# EAGLE board D-M-005_Eagle9X (EAGLE 9.7.0), part 2 of 2
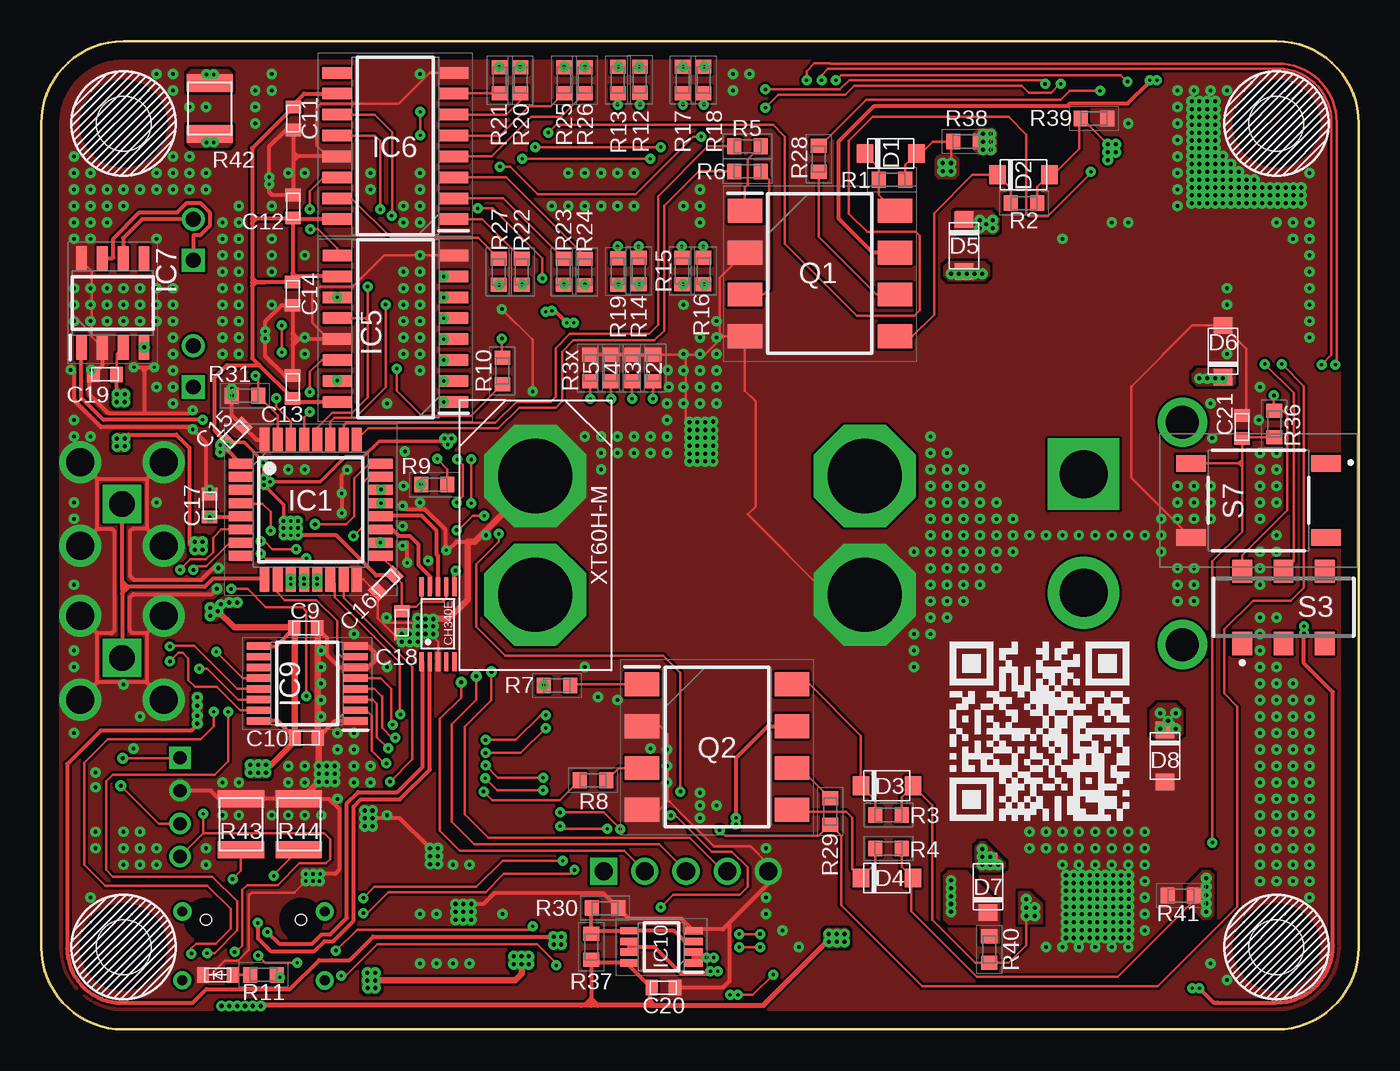
[diagram p0: board, top side]
## Tracks (layer width: path | path; a pad name or v marks a point on that pad's centre or on a via) (continued)
GND  (via drill 0.2 pad 0.03, 0.22, 0.25 pad 0.03) (continued)
  pour Top (no thermals): 61.81,7.82 61.82,7.79 61.82,5.15 66.59,5.15 66.59,17.59 60.26,23.92 60.24,23.95 60.24,36.21 60.26,36.23 65.04,41.02 65.07,41.03 75.37,41.03 76.91,42.57 76.91,51.67 74.78,51.67 74.78,51.67 74.76,51.67 74.75,51.67 74.75,51.67 74.34,51.7 74.34,51.7 74.33,51.7 74.32,51.7 74.31,51.71 73.91,51.79 73.9,51.79 73.89,51.8 73.89,51.8 73.88,51.8 73.5,51.95 73.49,51.95 73.48,51.95 73.47,51.96 73.47,51.96 73.11,52.16 73.1,52.16 73.09,52.16 73.09,52.17 73.08,52.17 72.75,52.42 72.75,52.42 72.74,52.43 72.73,52.43 72.73,52.44 72.44,52.73 72.43,52.73 72.43,52.74 72.42,52.75 72.42,52.75 72.17,53.08 72.17,53.08 72.16,53.09 72.16,53.1 72.16,53.11 71.96,53.47 71.96,53.47 71.95,53.48 71.95,53.49 71.95,53.49 71.8,53.88 71.8,53.88 71.8,53.89 71.8,53.9 71.8,53.91 71.71,54.31 71.71,54.32 71.71,54.32 71.7,54.33 71.7,54.34 71.67,54.75 71.67,54.75 71.67,54.76 71.67,54.77 71.67,54.78 71.67,56.7 66.52,53.71 53.22,40.41 53.19,40.4 45.11,40.4 42.11,37.4 42.08,37.39 29.24,37.39 26.74,34.89 26.74,32.25 28.6,30.39 31.6,30.39 31.63,30.38 39.02,23 46.62,23 46.65,22.98
  pour Top (no thermals): 66.43,5.15 66.8,5.15 68.82,7.17 68.82,15.36 66.43,17.75
  pour Top (no thermals): 60.5,36.74 65.84,36.74 70.09,40.99 70.09,41.2 64.96,41.2
  pour Top (no thermals): 66.07,52.94 71.67,52.94 71.67,56.75 69.56,56.75 65.9,53.1
  pour Top (no thermals): 23,29.52 23.02,29.47 23.02,28.35 23.11,28.26 23.91,28.26 23.96,28.31 23.96,30.15 23.04,31.06 21.72,31.06 21.71,31.06 21.71,30.13 21.76,30.09 22.4,30.09 22.45,30.07
  pour Top (no thermals): 66.88,54.88 66.91,54.87 67.34,54.44 67.63,54.44 68.95,55.76 64.33,55.76 64.33,54.88
  pour Top (no thermals): 38.29,37.45 38.27,37.43 38.26,37.4 38.26,37.33 38.27,37.3 38.29,37.28 38.32,37.27 41.76,37.27 41.79,37.28 41.81,37.3 41.82,37.33 41.82,37.4 41.81,37.43 41.79,37.45 41.76,37.46 38.32,37.46
  pour Bottom (no thermals): 16.03,8.89 16.94,8.89 17.06,9.01 17.06,9.48 16.98,9.56 16.03,9.56 15.95,9.48 15.95,8.97
  pour Top (no thermals): 16.03,8.89 16.94,8.89 17.06,9.01 17.06,9.48 16.98,9.56 16.03,9.56 15.95,9.48 15.95,8.97
  pour Bottom (no thermals): 16.8,14.81 17.88,14.81 18.04,14.97 18.04,16.1 17.92,16.22 16.8,16.22 16.63,16.06 16.63,14.97
  pour Top (no thermals): 16.8,14.81 17.88,14.81 18.04,14.97 18.04,16.06 17.88,16.22 16.8,16.22 16.63,16.06 16.63,14.97
  pour Bottom (no thermals): 16.97,19.69 15.74,18.46 15.7,18.44 14.45,18.44 14.45,12.62 20.27,12.62 20.27,18.56 20.29,18.6 21.51,19.83 21.56,19.85 22.77,19.85 22.77,25.67 16.99,25.67 16.99,19.74
  pour Bottom (no thermals): 23.57,9.88 24.12,9.88 24.24,10 24.24,11.02 24.12,11.14 23.57,11.14 23.46,11.02 23.46,10
  pour Top (no thermals): 23.57,9.88 24.12,9.88 24.24,10 24.24,11.02 24.12,11.14 23.57,11.14 23.46,11.02 23.46,10
  pour Bottom (no thermals): 11.52,38.3 11.65,38.3 11.77,38.43 11.77,39 11.65,39.12 11.52,39.12 11.39,39 11.39,38.43
  pour Top (no thermals): 11.52,38.3 11.65,38.3 11.77,38.43 11.77,39 11.65,39.12 11.52,39.12 11.39,39 11.39,38.43
  pour Top (no thermals): 10.21,32.59 10.3,32.59 10.42,32.71 10.42,32.84 10.3,32.97 10.17,32.97 10.04,32.84 10.04,32.75
  pour Top (no thermals): 33.21,40.75 33.42,40.75 33.49,40.83 33.49,41 33.42,41.08 33.13,41.08 33.13,40.83
  pour Bottom (no thermals): 27.73,43.61 27.98,43.61 28.09,43.73 28.09,43.78 28.02,43.85 27.66,43.85 27.66,43.69
  pour Bottom (no thermals): 22.54,23.45 23.58,23.45 24.08,23.96 24.08,25.05 23.89,25.24 22.54,25.24
  pour Top (no thermals): 25.09,6.43 26.18,6.43 26.34,6.6 26.34,7.68 26.18,7.85 25.09,7.85 24.93,7.68 24.93,6.6
  pour Bottom (no thermals): 25.4,8.19 25.38,8.14 24.93,7.68 24.93,6.6 25.09,6.43 26.18,6.43 26.34,6.6 26.34,7.68 26.08,7.94 26.06,7.99 26.06,9.24 25.4,9.24
  pour Top (no thermals): 22.56,24.4 22.46,24.3 22.43,24.29 21.82,24.29 21.62,24.09 21.62,23.44 21.82,23.25 22.94,23.25 23.14,23.44 23.14,23.55 23.15,23.57 23.29,23.71 23.32,23.73 23.89,23.73 24.09,23.92 24.09,25.05 23.89,25.24 22.77,25.24 22.57,25.05 22.57,24.43
  pour Bottom (no thermals): 24.84,20.52 24.84,21.15 23.95,21.15 23.92,21.16 22.78,22.31 22.7,22.23 22.7,20.19 23.01,20.5 23.04,20.52
  pour Top (no thermals): 19.57,12.11 20.18,12.11 20.31,12.23 20.31,13.4 20.18,13.52 19.57,13.52 19.41,13.36 19.41,12.27
  pour Bottom (no thermals): 20.39,12.91 20.23,12.75 20.18,12.73 18.95,12.73 19.57,12.11 20.3,12.11 20.39,12.19
  pour Bottom (no thermals): 38.97,34.13 41.11,34.13 41.11,38.17 38.97,38.17
  pour Bottom (no thermals): 21.39,14.53 21.36,14.52 20.93,14.52 20.9,14.53 20.32,15.12 20.32,12.73 22.25,14.67 22.28,14.68 25.17,14.68 25.2,14.67 25.22,14.65 25.24,14.62 25.24,14.28 26.11,14.28 26.11,14.89 26.08,14.92 21.78,14.92
  pour Top (rank 2, no thermals): 5,0.1 74.92,0.1 75.53,0.13 76.12,0.24 76.69,0.42 77.24,0.67 77.75,0.98 78.23,1.35 78.65,1.78 79.02,2.25 79.33,2.76 79.58,3.31 79.76,3.88 79.87,4.48 79.9,5.08 79.9,55 79.86,55.64 79.74,56.27 79.53,56.88 79.25,57.45 78.89,57.99 78.47,58.47 77.99,58.89 77.45,59.25 76.88,59.53 76.27,59.74 75.64,59.86 75,59.9 5,59.9 4.36,59.86 3.73,59.74 3.12,59.53 2.55,59.25 2.01,58.89 1.53,58.47 1.11,57.99 0.75,57.45 0.47,56.88 0.26,56.27 0.14,55.64 0.1,55 0.1,5 0.14,4.36 0.26,3.73 0.47,3.12 0.75,2.55 1.11,2.01 1.53,1.53 2.01,1.11 2.55,0.75 3.12,0.47 3.73,0.26 4.36,0.14
  pour Bottom (rank 2, no thermals): 5,0.08 74.92,0.08 75.53,0.11 76.12,0.22 76.7,0.4 77.25,0.65 77.77,0.96 78.24,1.33 78.67,1.76 79.04,2.24 79.35,2.75 79.6,3.3 79.78,3.88 79.89,4.47 79.92,5.08 79.92,54.92 79.89,55.53 79.78,56.12 79.6,56.7 79.35,57.25 79.04,57.76 78.67,58.24 78.24,58.67 77.77,59.04 77.25,59.35 76.7,59.6 76.12,59.78 75.53,59.89 74.92,59.92 5.08,59.92 4.47,59.89 3.88,59.78 3.3,59.6 2.75,59.35 2.23,59.04 1.76,58.67 1.33,58.24 0.96,57.76 0.65,57.25 0.4,56.7 0.22,56.12 0.11,55.53 0.08,54.92 0.08,5 0.12,4.35 0.24,3.72 0.45,3.11 0.73,2.54 1.09,2 1.52,1.52 2,1.09 2.54,0.74 3.11,0.45 3.72,0.24 4.35,0.12
LED_DATA_TRANSMISSION  (via drill 0.2)
  Top 0.16: v31.27,3.89 31.27,4 30.12,5.16 20.4,5.16 18.5,3.26 v18.22,3.26 | v37.62,7.42 38.37,8.17 42.42,8.17 42.9,8.65 42.9,9.84 41.94,10.8 40.7,10.8 38.51,13 v38.23,13 v38.23,12.99 | v38.81,14.44 38.81,21.67 37.78,22.7 28.17,22.7 26.43,24.44 26.43,28.25 27.78,29.6 v27.78,30.08 | v26.9,31.19 26.19,31.19 25.32,30.32 v25.22,30.32 | R11.1 14.45,3.17 v14.48,3.17
  Top 0.254: IC11.TNOW 25.09,27.79 v25.16,27.86
  Bottom 0.16: v31.27,3.89 31.59,3.89 35.12,7.42 v37.62,7.42 | v38.81,14.44 38.33,13.97 38.33,13.09 v38.23,12.99 | v27.78,30.08 26.9,30.95 v26.9,31.19 | v25.16,27.86 25.44,28.14 25.44,30.09 v25.22,30.32 | v18.22,3.26 18.22,2.47 17.54,1.79 15.86,1.79 v14.48,3.17
  pour Top (no thermals): 14.43,3.01 14.49,3.01 14.64,3.16 14.64,3.25 14.4,3.25 14.4,3.04
LED_POWER  (via drill 0.2 pad 0.03)
  Bottom 0.16: v20.59,29.56 20.59,29.13 22.02,27.7 23.96,27.7 25.13,28.86 25.13,29.47 24.6,30 24.6,31.51 23.05,33.06 v23.05,33.1
  pour Top (no thermals): 20.47,29.65 20.44,29.62 20.41,29.61 20.39,29.61 20.39,29.56 20.51,29.44 20.8,29.44 20.83,29.48 20.83,29.57 20.76,29.65
  pour Top (no thermals): 23.01,32.97 23.14,32.97 23.14,33.07 23.15,33.1 23.22,33.17 23.14,33.26 23.05,33.26 23.01,33.22
LED_UART  (via drill 0.2 pad 0.03)
  Top 0.16: IC1.30 15.16,36.94 14.28,37.82 v14.28,38.33 | R10.1 26.1,37.26 23.09,37.26 21.59,38.77 v21.59,40.12 | v14.6,41.11 v14.6,42.74
  Bottom 0.16: v14.28,38.33 14.28,40.8 v14.6,41.11 | v14.6,42.74 18.97,42.74 v21.59,40.12
MODE_ROTARY_ENCODERS  (via drill 0.2)
  Top 0.16: v23.01,54.29 v23.01,55.72 | IC9.14 11.95,20.03 10.08,21.9 v9.6,21.9 | v10.47,19.28 10.47,18.41 9.68,17.62 4.04,17.62 2.61,16.19 2.61,10 3.88,8.73 10.1,8.73 11.5,7.32 11.5,6.11 10.61,5.21 9.42,5.21 9.12,4.92 v9.12,4.6 | v19.56,7.06 19.8,7.06 21.07,8.33 26.98,8.33 28.09,9.44 32.14,9.44 v32.38,9.68 | v43.65,5 v42.38,5 | v43.97,55.96 44.76,56.75 48.81,56.75 49.37,57.3 59.53,57.3 59.96,56.87 61.31,56.87 61.85,57.4 v61.91,57.4 | v36.98,52.86 v29.2,52.86
  Bottom 0.16: S4.2 21.75,51.92 23.01,53.18 v23.01,54.29 | v23.01,55.72 26.35,55.72 v29.2,52.86 | v9.6,21.9 9.6,21.82 10.16,21.27 10.16,19.6 v10.47,19.28 | v9.12,4.6 9.92,3.81 13.96,3.81 15.05,4.89 16.58,4.89 17.17,5.47 18.02,5.47 19.56,7.01 v19.56,7.06 | v42.38,5 40.24,7.14 40.24,10.24 39.44,11.03 38.09,11.03 35.87,13.25 34.68,13.25 32.38,10.95 v32.38,9.68 | v43.65,5 45.4,3.25 66.67,3.25 67.86,4.45 67.86,10.68 69.25,12.06 71.67,12.06 72.62,13.01 72.62,38.41 73.18,38.97 73.18,45.95 71.91,47.22 64.61,47.22 62.94,48.89 62.94,56.37 v61.91,57.4 | v43.97,55.96 40.87,52.86 v36.98,52.86
MODE_WITH_ROTARY_ENCODERS  (via drill 0.2)
  Top 0.16: IC9.12 12.24,21.33 v10.63,22.94 | v11.35,19.28 11.35,16.27 10.55,15.47 4.36,15.47 3.96,15.08 3.96,9.68 4.36,9.28 10.39,9.28 11.91,7.77 11.91,6.01 10.53,4.63 v10.08,4.63 | v19.56,7.97 20.24,8.65 26.43,8.65 28.01,10.24 v31.67,10.24 | v43.65,5.79 v42.38,5.79 | v43.97,57.07 48.49,57.07 49.05,57.62 60.74,57.62 v60.95,57.4 | v37.62,53.57 v30,53.57
  Bottom 0.16: S5.2 21.06,53.77 20,52.7 18.57,52.7 18.25,53.02 18.25,54.45 20.21,56.41 26.85,56.41 29.76,53.5 29.92,53.5 v30,53.57 | v11.35,19.28 11.35,19.3 10.5,20.14 10.5,22.81 v10.63,22.94 | v19.56,7.97 19.52,7.97 18.09,6.55 18.09,6.37 17.54,5.82 17,5.82 16.42,5.24 11.97,5.24 11.96,5.24 10.69,5.24 v10.08,4.63 | v31.67,10.24 31.67,10.82 34.41,13.57 36.19,13.57 38.25,11.51 39.6,11.51 40.56,10.55 40.56,7.62 v42.38,5.79 | v43.65,5.79 44.05,5.79 46.27,3.57 66.51,3.57 67.55,4.61 67.55,11.47 68.46,12.38 71.51,12.38 72.31,13.17 72.31,38.65 72.86,39.21 72.86,45.48 71.43,46.91 63.97,46.91 62.62,48.26 62.62,55.74 v60.95,57.4 | v43.97,57.07 40.48,53.57 v37.62,53.57
N$1  (via drill 0.25 pad 0.03)
  Top 0.16: S10.1 63.29,33.13 62.78,32.62
  other vias: 57.14,45.88 56.67,45.88 56.19,45.88 55.72,45.88 55.24,45.88 71.75,39.52 71.27,39.52 70.8,39.52 70.32,39.52
  pour Bottom (no thermals): 66.16,31.19 67.07,32.1 67.07,37.95 67.08,37.98 68.21,39.12 68.24,39.13 70.88,39.13 70.88,46.11 54.8,46.11 53.57,44.89 53.57,38.29 60.67,31.19
  pour Top (no thermals): 55.11,45.47 57.27,45.47 57.55,45.75 57.55,46.32 57.27,46.59 55.11,46.59 54.84,46.32 54.84,45.75
  pour Top (no thermals): 70.19,39.12 72.35,39.12 72.47,39.24 72.47,39.97 72.35,40.08 70.19,40.08 69.92,39.81 69.92,39.4
  pour Bottom (rank 2, no thermals): 72.07,39.65 71.88,39.84 71.02,39.84 70.99,39.85 70.88,39.97 70.88,39.13 70.92,39.13 70.99,39.2 71.02,39.21 71.88,39.21 72.07,39.4
N$2
  Top 0.16: Q2.1 32.17,20.95 R7.2
N$3  (via drill 0.25 pad 0.03)
  Top 0.16: v59.81,6.89 59.81,5.12 58.74,4.05 R40.1 56.7,4.05 54.09,6.66 54.09,13.62 D3.2 52.23,14.11 R3.1
  other vias: 60.32,6.89 59.81,7.39 60.32,7.39 59.81,7.9
  pour Bottom (no thermals): 59.38,6.46 61,6.46 61,9.6 59.38,9.6
  pour Top (no thermals): 59.38,6.45 60.75,6.45 60.75,7.62 60.03,8.33 59.38,8.33
N$4
  pour Top (no thermals): 22.96,33.26 22.97,33.23 22.97,33.01 23.01,32.97 23.14,32.97 23.18,33.01 23.18,33.26
N$5  (via drill 0.25 pad 0.03)
  Top 0.16: R1.2 52.46,52.48 D1.2 53.28,53.05 54.14,53.91 R38.1 55.24,53.76 v55.24,52.61
  Bottom 0.16: P1.G 55.16,52.02 v55.24,52.1
  other vias: 54.73,52.61 54.73,52.1
  pour Top (no thermals): 54.51,51.67 55.46,51.67 55.67,51.88 55.67,52.83 55.46,53.04 54.51,53.04 54.3,52.83 54.3,51.88
N$6  (via drill 0.25 pad 0.03)
  Top 0.16: 52.89,9.23 D4.2 | 52.89,9.23 52.23,9.89 R4.1 | R41.2 70.01,7.86 65.36,3.21 56.79,3.21 52.82,7.18 52.82,9.16 52.89,9.23
  other vias: 70.73,9.17 70.73,8.66 70.73,8.16 70.73,7.65 70.73,7.14
  pour Bottom (no thermals): 69.54,6.45 71.17,6.45 71.17,9.6 69.54,9.6
  pour Top (no thermals): 70.51,6.71 70.96,6.71 71.17,6.92 71.17,9.39 70.96,9.6 70.51,9.6 69.54,8.63 69.54,7.68
N$7  (via drill 0.2 pad 0.03)
  Top 0.16: R15.2 v38.98,45.24
  Bottom 0.16: 7SEG1.2 38.95,45.27 v38.98,45.24
N$9
  Top 0.16: R37.1 33.39,5.95 33.43,5.99 | 33.39,7.33 R30.2
  Top 0.254: 33.39,5.95 33.39,7.33 | 33.43,5.99 IC10.5 38.43,5.99 39.1,5.33 39.59,5.33 IC10.3
N$10  (via drill 0.2 pad 0.03)
  Top 0.16: v11.62,9.12 12.13,9.63 R43.2
  Bottom 0.16: U$4.B5:CC2 11.14,8.64 v11.62,9.12
N$11
  Top 0.16: Q1.6 50.72,44.62 47.21,48.12 R28.1
N$12
  Top 0.16: Q1.1 42.73,51.14 42.9,51.31 42.9,52.82 43.69,53.61 R5.2
N$14  (via drill 0.2 pad 0.03)
  Top 0.16: R16.2 v40.25,45.24
  Bottom 0.16: 7SEG1.1 v40.25,45.24
N$15  (via drill 0.2 pad 0.03)
  Top 0.254: R42.1 10.24,54.06 v10.04,53.85
  other vias: 10.47,53.85
  pour Top (no thermals): 9.14,53.66 11.33,53.66 11.54,53.87 11.54,54.8 8.93,54.8 8.93,53.87
  pour Bottom (no thermals): 9.96,53.78 10.54,53.78 10.54,53.88 9.96,53.88
N$16
  Top 0.16: Q2.3 35.06,15.87 R8.2
N$17  (via drill 0.25 pad 0.03)
  other vias: 57.14,10 57.14,10.47 57.14,10.95 57.62,10 58.1,10 57.62,10.47 67.94,18.25 68.42,18.73 68.89,18.25 68.89,19.2 67.94,19.2
  pour Bottom (no thermals): 68.24,20.55 68.21,20.57 67.08,21.7 67.07,21.73 67.07,28.22 66.16,29.13 60.99,29.13 54.69,22.82 54.69,13.57 70.88,13.57 70.88,20.55
  pour Top (no thermals): 57.02,9.6 58.22,9.6 58.5,9.87 58.5,10.12 57.27,11.35 57.02,11.35 56.74,11.08 56.74,9.87
  pour Bottom (no thermals): 56.74,12.9 56.75,12.87 56.75,9.87 57.02,9.6 58.22,9.6 58.49,9.87 58.49,12.87 58.51,12.9 59.13,13.52 59.13,13.73 56.11,13.73 56.11,13.52
  pour Top (no thermals): 67.81,17.53 68.86,17.53 69.29,17.97 69.29,19.33 68.86,19.76 67.81,19.76 67.38,19.33 67.38,17.97
N$19
  Top 0.16: Q1.3 43.87,44.62 44.21,44.96 44.21,51.58 R6.2
N$22  (via drill 0.25 pad 0.03)
  Top 0.16: R2.2 60.47,51.15 D2.2 61.45,51.89 63.04,53.48 63.04,55.22 R39.2 63.16,55.34 v64.77,53.73
  other vias: 65.24,53.73 65.24,53.26 64.77,53.26 64.77,52.78
  pour Bottom (no thermals): 64.52,50.16 66.07,50.16 66.07,53.34 65.41,54.01 64.6,54.01 64.49,53.9 64.49,50.19
N$23
  pour Bottom (no thermals): 24.83,19.56 24.05,18.78 24.02,18.77 22.42,18.77 22.42,16.9 24.8,16.9 24.8,17.99 24.81,18.02 25.27,18.48 25.3,18.49 29.48,18.49 29.48,19.56
  pour Bottom (no thermals): 24.01,19.07 23.99,19.04 23.73,18.77 23.73,18.77 24.57,18.77 24.84,19.04 24.84,19.76 24.01,19.76
N$27  (via drill 0.2 pad 0.03)
  Top 0.16: R9.2 24.67,34.02 v24.05,34.64
  Bottom 0.16: POWER_LED.2 22.68,36.01 v24.05,34.64
N$28
  Top 0.16: Q2.6 46.07,15.87 R29.1
N$32  (via drill 0.2 pad 0.03)
  Top 0.16: R17.2 v38.98,58.45
  Bottom 0.16: 7SEG1.9 38.95,58.42 v38.98,58.45
N$33  (via drill 0.2 pad 0.03)
  Top 0.16: R10.2 27.98,40.79 v27.98,41.95
  pour Bottom (no thermals): 27.9,41.98 27.9,41.87 27.98,41.87 27.99,41.87 28.06,41.95 28.02,41.98
N$34  (via drill 0.2 pad 0.03)
  Top 0.16: R18.2 v40.25,58.45
  Bottom 0.16: 7SEG1.10 v40.25,58.45
N$35  (via drill 0.2 pad 0.03)
  Top 0.16: R19.2 35.03,45.24 v35.05,45.24
  Bottom 0.16: 7SEG1.5 v35.05,45.24
N$36  (via drill 0.2 pad 0.03)
  Top 0.16: R44.2 14.12,9.38 v14.12,9.32
  Bottom 0.16: U$4.A5:CC1 14.14,9.32 v14.12,9.32
N$37  (via drill 0.2 pad 0.03)
  Top 0.16: R14.2 v36.32,45.24
  Bottom 0.16: 7SEG1.4 36.35,45.27 v36.32,45.24
N$38  (via drill 0.2 pad 0.03)
  Top 0.16: R13.2 v35.05,58.45
  Bottom 0.16: 7SEG1.6 v35.05,58.44 v35.05,58.45
N$39  (via drill 0.2 pad 0.03)
  Top 0.16: R12.2 36.34,58.45 v36.32,58.45
  Bottom 0.16: 7SEG1.7 36.35,58.41 v36.32,58.45
N$40  (via drill 0.2 pad 0.03)
  Top 0.16: R23.2 31.74,45.23 v31.74,45.24
  Bottom 0.16: 7SEG2.2 31.74,45.47 v31.74,45.24
N$41  (via drill 0.2 pad 0.03)
  Top 0.16: R24.2 v33.02,45.24
  Bottom 0.16: 7SEG2.1 33.03,45.25 v33.02,45.24
N$42  (via drill 0.2 pad 0.03)
  Top 0.16: R25.2 v31.74,58.45
  Bottom 0.16: 7SEG2.9 31.73,58.43 v31.74,58.45
N$43  (via drill 0.2 pad 0.03)
  Top 0.16: R26.2 v33.01,58.45 v33.02,58.45
  Bottom 0.16: 7SEG2.10 33.03,58.44 v33.02,58.45
N$44  (via drill 0.2 pad 0.03)
  Top 0.16: R27.2 v27.81,45.2
  Bottom 0.16: 7SEG2.5 27.83,45.23 v27.81,45.2
N$45  (via drill 0.2 pad 0.03)
  Top 0.16: R22.2 29.2,45.23 v29.2,45.24
  Bottom 0.16: 7SEG2.4 29.2,45.41 v29.2,45.24
N$46  (via drill 0.2 pad 0.03)
  Top 0.16: R21.2 v27.81,58.45
  Bottom 0.16: 7SEG2.6 27.83,58.43 v27.81,58.45
N$47  (via drill 0.2 pad 0.03)
  Top 0.16: R20.2 v29.08,58.45
  Bottom 0.16: 7SEG2.7 29.13,58.4 v29.08,58.45
N$56  (via drill 0.2 pad 0.03)
  Top 0.16: v10.47,57.98 10.24,57.75 R42.2 10.04,57.67 v10.04,57.98
  Bottom 0.16: S2.1 10.05,57.98 v10.04,57.98
  pour Top (no thermals): 8.93,57.04 11.54,57.04 11.54,57.97 11.33,58.17 9.14,58.17 8.93,57.97
  pour Bottom (no thermals): 10,57.95 10.5,57.95 10.5,58.01 10,58.01
N$61
  Top 0.16: R11.2 DATA_TRANSMISSION_LED.2
NRST  (via drill 0.2)
  Top 0.16: C21.2 72.91,34.37 72.7,34.37 | S7.B1 72.7,34.37 | R36.1 72.98,35.95 C21.2 | IC1.4 12.09,31.92 13.44,31.92 13.93,31.43 v13.93,30.28 | C21.2 72.91,34.6 | 72.91,34.6 72.91,34.13 | 72.91,34.13 72.91,30.21 71.11,28.41 v71.11,11.35 | 9.84,11.91 J3.4 | v9.84,13.09 9.84,11.91 | v16.11,20.24 16.11,25.4 15.87,25.63 13.65,25.63 12.54,26.75 v11.53,26.75 | 9.84,11.91 9.84,11.9 17.18,11.9 17.54,11.55 17.54,10.33 17.29,10.08 15.67,10.08 14.36,8.77 12.5,8.77 12.22,8.49 12.22,5.08 11.84,4.7 v11.75,4.7 v11.74,4.7 | v13.17,4.48 13.61,4.04 v15.55,4.04 | v44.45,3.33 43.22,2.1 v42.3,2.1 v41.83,2.1 | v29.84,6.27 29.64,6.07 19.18,6.07 v17.89,4.79 | 72.91,34.6 72.7,34.4 72.7,34.37 | 72.91,34.13 72.7,34.33 72.7,34.37
  Bottom 0.16: v9.84,13.09 9.84,14.92 12.1,17.18 12.66,17.18 14.28,18.81 15.16,18.81 16.11,19.76 v16.11,20.24 | v11.53,26.75 11.53,27.64 12.22,28.33 13.65,28.33 14.04,28.73 14.04,30.16 v13.93,30.28 | v44.45,3.33 44.84,2.93 66.83,2.93 68.42,4.52 68.42,8.71 71.05,11.35 v71.11,11.35 | v42.3,2.1 v41.83,2.1 31.47,2.1 30.4,3.17 30.4,5.71 v29.84,6.27 | v15.55,4.04 16.34,4.04 17.08,4.79 v17.89,4.79 | v11.74,4.7 11.96,4.48 v13.17,4.48
PC_UART_RXD
  Top 0.254: IC1.20 20.62,31.17 23.11,31.17 24.01,30.27 24.01,28.85 24.09,28.77 IC11.TXD
PC_UART_TXD
  Top 0.254: IC1.19 21.32,30.36 21.7,29.97 22.39,29.97 22.91,29.45 22.91,28.2 23.63,27.48 23.63,26.57 23.59,26.6 IC11.RXD
ROTARY_ENCODER_A  (via drill 0.2 pad 0.03, 0.25 pad 0.03)
  Top 0.16: J5.4 41.41,9.6 39.38,11.62 27.14,11.62 25.71,13.05 25.71,18.37 27.34,20 v27.34,21.71 | v16.75,27.38 16.76,27.36 IC1.13 16.76,27.04 v16.75,27.03
  Bottom 0.16: v27.34,21.71 27.33,21.71 25.44,23.6 25.44,26.19 24.72,26.9 16.87,26.9 v16.75,27.03
ROTARY_ENCODER_B  (via drill 0.2 pad 0.03, 0.25 pad 0.03)
  Top 0.16: J5.3 37.52,11.23 26.31,11.23 24.92,12.62 24.92,18.52 26.41,20.02 v26.41,21.45 | v15.95,27.38 15.96,27.37 IC1.12 15.96,27.04 v15.95,27.02
  Bottom 0.16: v15.95,27.02 15.95,26.9 16.36,26.49 24.46,26.49 24.92,26.03 24.92,23.21 26.41,21.71 v26.41,21.44 v26.41,21.45
ROTARY_ENCODER_Z  (via drill 0.2 pad 0.03, 0.25 pad 0.03)
  Top 0.16: J5.2 35.39,10.86 25.41,10.86 24.21,12.05 24.21,18.86 25.51,20.15 v25.51,21.08 | IC1.11 v15.16,27.37 v15.16,27.38
  Bottom 0.16: v15.16,27.38 v15.16,27.02 15.16,26.79 15.86,26.08 23.95,26.08 24.44,25.59 24.44,22.46 25.5,21.4 v25.5,21.09 v25.51,21.08
RXD  (via drill 0.2 pad 0.03, 0.25 pad 0.03)
  Bottom 0.254: v20.63,31.95 12.26,31.95 9.62,34.58 6.25,37.95 IC7.4
  other vias: 6.25,41.41
  pour Top (no thermals): 20.56,31.87 20.7,31.87 20.7,32.02 20.56,32.02
SIG_N1
  Top 0.16: IC1.26 18.36,36.66 18.52,36.82 27.57,36.82 28.87,38.12 30.93,38.12 31.23,38.41 31.23,41.35 32.1,42.22 36.9,42.22 37.46,42.78 37.46,50.6 40.48,53.62 R5.1
SIG_N2  (via drill 0.2 pad 0.03)
  Top 0.16: v21.81,19.13 21.78,19.15 21.78,22.3 17.83,26.25 17.83,27.05 IC1.14
  Bottom 0.16: v21.81,19.13 22.16,19.48 22.94,19.48 23.12,19.67 23.12,19.96 23.36,20.19 26.4,20.19 27.12,20.91 v30.51,20.91
  pour Top (no thermals): 30.43,20.83 30.6,20.83 30.6,20.99 30.43,20.99
SIG_P1
  Top 0.16: R6.1 39.91,52.1 37.82,50 37.82,42.42 37.22,41.83 32.3,41.83 31.63,41.15 31.63,38.14 31.25,37.76 29.03,37.76 27.75,36.48 19.85,36.48 IC1.25
SIG_P2  (via drill 0.2 pad 0.03)
  Top 0.16: IC1.15 18.36,26.2 22.54,22.02 22.54,16.41 v21.18,15.05 | v26.86,14.44 27.39,13.91 31.5,13.91 R8.1
  Bottom 0.16: v21.18,15.05 21.37,15.23 26.19,15.23 26.86,14.56 v26.86,14.44
SW_CLK
  Top 0.16: IC9.7 18.24,22.63 17.97,22.9 17.97,24.8 16.7,26.07 14.8,26.07 14.36,26.51 IC1.10
SW_QH  (via drill 0.2 pad 0.03)
  Top 0.16: IC9.13 11.9,20.68 9.28,23.29 7.86,23.29 v7.81,23.25 | IC1.6 10.95,30.36 10.43,29.84 10.43,28.97 9.99,28.53 9.04,28.53 8.44,27.93 v8.44,27.91
  Bottom 0.16: v8.44,27.91 8.44,27.23 8.95,26.71 8.95,24.39 v7.81,23.25
SW_SH/LD  (via drill 0.2 pad 0.03)
  Top 0.16: IC1.7 11.46,29.55 10.04,28.14 9.48,28.14 v9.24,27.9 | v7.81,22.34 8.33,22.86 8.6,22.86 8.94,22.52 8.94,21.21 9.34,20.81 10.65,20.81 12.08,19.38 IC9.15
  Bottom 0.16: v7.81,22.34 9.3,23.82 9.3,26.81 9.24,26.87 v9.24,27.9
SWCLK  (via drill 0.2 pad 0.03, 0.25 pad 0.03)
  Top 0.16: IC1.24 19.91,34.36 19,33.45 19,31.15 18.53,30.68 v16.62,30.68 | v15.47,29.17 14.04,29.17 13.56,29.65 v13.33,29.65 | v4.84,14.8 7.14,12.49 J3.3
  Bottom 0.16: v16.62,30.68 16.62,29.84 16.15,29.36 15.67,29.36 | v13.33,29.65 12.97,29.65 12.1,30.52 9.72,30.52 7.3,32.94 6.82,32.94 6.46,33.3 3.65,33.3 3.51,33.16 3.51,30.35 3.88,29.99 3.88,24.48 3.51,24.12 3.51,21.04 3.88,20.67 3.88,15.76 v4.84,14.8
  Bottom 0.254: v15.47,29.17 15.67,29.36
SWDIO  (via drill 0.2 pad 0.03, 0.25 pad 0.03)
  Top 0.16: IC1.23 19.9,33.55 19.48,33.13 19.48,30.48 v18.97,29.96 | 16.07,28.57 13.65,28.57 v13.33,28.89 | J3.1 8.4,16.47 v4.96,16.47
  Top 0.254: v16.11,28.61 16.07,28.57
  Bottom 0.16: v16.11,28.61 17.46,29.96 v18.97,29.96 | v4.96,16.47 4.96,19.73 6.58,21.36 6.58,23.81 5.94,24.45 5.94,29.99 7.22,31.27 8.45,31.27 9.56,30.16 11.9,30.16 13.17,28.89 v13.33,28.89
TXD  (via drill 0.2 pad 0.03)
  Top 0.254: IC7.1 2.44,38.35 3.78,37.01 v9.8,37.01
  Bottom 0.254: v20.63,32.78 18.89,32.78 14.69,36.98 9.83,36.98 v9.8,37.01
  pour Top (no thermals): 20.56,32.75 20.74,32.75 20.74,32.85 20.56,32.85
UART_RX
  Top 0.254: 4.91,26.75 4.91,27.22 | 4.91,27.22 J2.1 | 4.91,26.75 4.91,26.47 | 4.91,26.47 J1.1 | 4.91,26.75 5.03,26.87 5.26,26.87 | 5.3,26.87 9.92,26.87 10.43,27.38 13.5,27.38 IC1.9 | 4.91,26.47 5.3,26.87 | 5.3,26.87 5.26,26.87 | 5.26,26.87 4.91,27.22
USB_5V
  Bottom 0.356: 18.89,5.23 20.2,6.55 20.2,8.37 19.68,8.89 18.53,8.89 18.39,9.02
  Bottom 0.406: 15.29,9.9 U$4.A4,B9:VBUS | 15.55,10.16 15.08,10.16 | 15.08,10.16 11.23,10.16 10.49,9.42 U$4.B4,A9:VBUS | 15.55,10.16 17.26,10.16 18.39,9.02 | 18.89,5.23 18.89,4.61 IC4.3 18.9,2.47 19.81,1.56 C5.2 | 15.55,10.16 15.29,9.9 | 15.29,9.9 15.08,10.11 15.08,10.16
USB_D+  (via drill 0.2 pad 0.03)
  Top 0.254: IC11.UD+ 23.16,22.27 23.16,15.94 21.62,14.4 19.24,14.4 18.56,13.72 18.56,6.77 17.56,5.77 17.03,5.77 16.45,5.19 14.46,5.19 v13.74,5.91
  Bottom 0.254: U$4.A6:DP1 13.12,7.75 13.12,8.37 12.91,8.58 12.39,8.58 12.13,8.32 U$4.B6:DP2 12.14,6.26 12.66,5.75 13.58,5.75 v13.74,5.91
USB_D-  (via drill 0.2 pad 0.03)
  Top 0.254: IC11.UD- 23.59,15.78 21.78,13.97 19.4,13.97 18.97,13.53 18.97,6.61 17.73,5.37 17.2,5.37 16.58,4.75 13.93,4.75 13.15,5.53 v13.15,6.46
  Bottom 0.16: 13.13,6.64 13.13,6.46 v13.15,6.46
  Bottom 0.254: U$4.A7:DN1 12.63,7.13 12.89,6.88 13.13,6.64 | U$4.B7:DN2 13.65,7.72 13.65,7.05 13.13,6.53 13.13,6.46
VCC  (via drill 0.25 pad 0.03)
  Top 0.16: 33.57,4.04 R37.2 | C20.2 37.05,2.54
  Top 0.254: 33.57,4.04 IC10.8 35.7,3.88 37.05,2.54 | 47.7,5.31 v48.3,5.31 | C20.2 36.98,2.45 36.98,1.78 | 36.98,1.78 36.98,1.46 | 36.67,1.46 36.96,1.76 | 36.96,1.76 36.98,1.78 | 36.96,1.76 37.26,1.46 | R37.2 33.39,1.9 | 33.39,1.88 33.39,1.49 33.37,1.46 | 33.39,1.88 33.39,1.9 | 33.39,1.9 32.96,1.46 32.78,1.46 | 33.39,1.88 33.81,1.46
  Top 0.305: v10.95,1.42 v11.43,1.42 v11.9,1.42 v12.38,1.42 v12.85,1.42 v13.33,1.42 13.33,1.45 13.35,1.46 32.78,1.46 33.37,1.46 33.81,1.46 36.67,1.46 36.98,1.46 37.26,1.46 43.85,1.46 47.7,5.31
  Bottom 0.305: IC8.1 13.64,19.43 12.02,17.82 7.42,17.82 6.66,17.06 6.66,14.28 5.99,13.61 3.45,13.61 1.54,11.7 1.54,4.91 arc90 4.87,1.59 7.14,1.59 7.3,1.42 v10.95,1.42 v11.43,1.42 v11.9,1.42 v12.38,1.42 v12.85,1.42 v13.33,1.42
  Bottom 0.406: C7.1 12.22,20.46 IC8.1
  Bottom 0.711: S6.5 S6.2 34.52,16.54 37.94,19.96 31.5,26.4 S8.+
  other vias: 56.99,48.65 56.99,49.13 57.78,49.13 57.78,48.65 57.38,48.89 55.24,9.05 55.24,8.09 55.24,8.57 55.24,7.62 55.24,7.14 57.18,53.89 57.66,53.89 57.18,54.37 57.66,54.37 57.18,53.42 57.66,53.42 47.82,5.31 47.82,5.79 48.29,5.79 48.77,5.79 48.77,5.31
  pour Bottom (no thermals): 33.38,23.1 33.41,23.08 50.72,5.77 55.92,11.11 53.58,13.44 53.57,13.47 53.57,20.12 51.24,22.46 48.4,22.46 48.37,22.47 46.12,24.72 46.11,24.75 46.11,27.95 46.12,27.98 48.37,30.23 48.4,30.24 51.87,30.24 52.78,31.14 52.78,45.26 52.79,45.29 54.4,46.9 54.43,46.91 59.02,46.91 61.51,49.4 61.51,55.53 58.22,58.81 50.99,58.81 42.82,50.64 42.82,34.79 42.81,34.76 37.66,29.61 37.63,29.6 28.6,29.6 26.9,27.9 26.9,24.95 28.76,23.1
  pour Bottom (no thermals): 50.35,4.84 55.21,4.84 55.95,5.59 55.95,11.08 55.21,11.82 54.96,11.82 49.16,6.03
  pour Top (no thermals): 55.75,48.33 57.91,48.33 58.1,48.53 58.1,49.26 57.67,49.69 55.59,49.69 55.47,49.57 55.47,48.61
  pour Top (no thermals): 55.11,6.42 57.91,6.42 58.18,6.7 58.18,7.58 56.16,9.6 55.11,9.6 54.84,9.33 54.84,6.7
  pour Bottom (no thermals): 47.63,4.77 55.05,4.77 45.87,13.95 45.73,13.95 45.73,6.67
  pour Top (no thermals): 57.1,5.27 58.15,5.27 58.18,5.31 58.18,7.5 57.45,7.5 57.06,7.11 57.06,5.31
  pour Top (no thermals): 56.94,53.13 57.79,53.13 57.94,53.29 57.94,54.5 57.79,54.65 56.9,54.65 56.63,54.38 56.63,53.45
  pour Top (no thermals): 47.75,5.08 48.88,5.08 49,5.21 49,5.9 48.88,6.02 47.75,6.02 47.59,5.86 47.59,5.25
  pour Bottom (no thermals): 41.81,33.29 41.79,33.27 41.76,33.25 35.27,33.25 31.67,29.65 31.67,29.45 44.21,29.45 44.21,34.05 42.26,34.05 41.83,33.62 41.83,33.32
~12V  (via drill 0.2, 0.2 pad 0.03)
  Top 0.16: v41.19,12.1 41.55,11.74 47.21,11.74 R29.2 48.57,11.77 48.57,7.54 53.49,2.62 67.78,2.62 72.62,7.46 72.62,19.6 71.83,20.4 71.83,24.29 73.58,26.03 75.88,26.03 76.67,26.82 76.67,39.05 75.4,40.32 75.4,40.4 v75.32,40.4 | R28.2 47.31,53.66 50.08,56.43 61.91,56.43 62.46,56.99 v64.29,56.99
  Bottom 0.16: v41.19,12.1 38.33,12.1 36.4,14.04 S6.3 32.8,13.61 32.8,12.84 30.34,10.37 30.34,9.82 | v75.32,40.4 75.32,45.95 72.94,48.34 67.62,48.34 67.07,48.89 67.07,55.16 65.24,56.99 v64.29,56.99
  Bottom 0.406: 28.98,11.22 C3.2 | 28.98,11.22 30.34,9.86 30.34,9.82 IC3.3 | 28.98,11.22 28.98,13.89 S6.6
  pour Bottom (no thermals): 27.31,13.7 27.28,13.69 24.98,13.69 24.95,13.7 24.49,14.16 22.38,14.16 22.38,12.3 27.47,12.3 28.64,13.48 28.67,13.49 29.48,13.49 29.48,14.56 28.17,14.56
(copper drawn outside any net)
  shapes: Bottom area x61, Top area x95

## Text on the board
tPlace: 5 | 4 | 3 | 2 | R3x